# Altium PCB Terra.PcbDoc (part 7 of 7)
Units mm, origin at the board's own origin, x right, y up, seen from the top; angles counter-clockwise.
Board outline 126 x 65 mm, 6 copper layers (Top Layer, Int1 (Sign), Int2 (GND), Int3(PWR), Int4(Sign), Bottom Layer), stack 2.348 mm thick; 559 components, 490 nets, 2466 pads, 1027 vias.
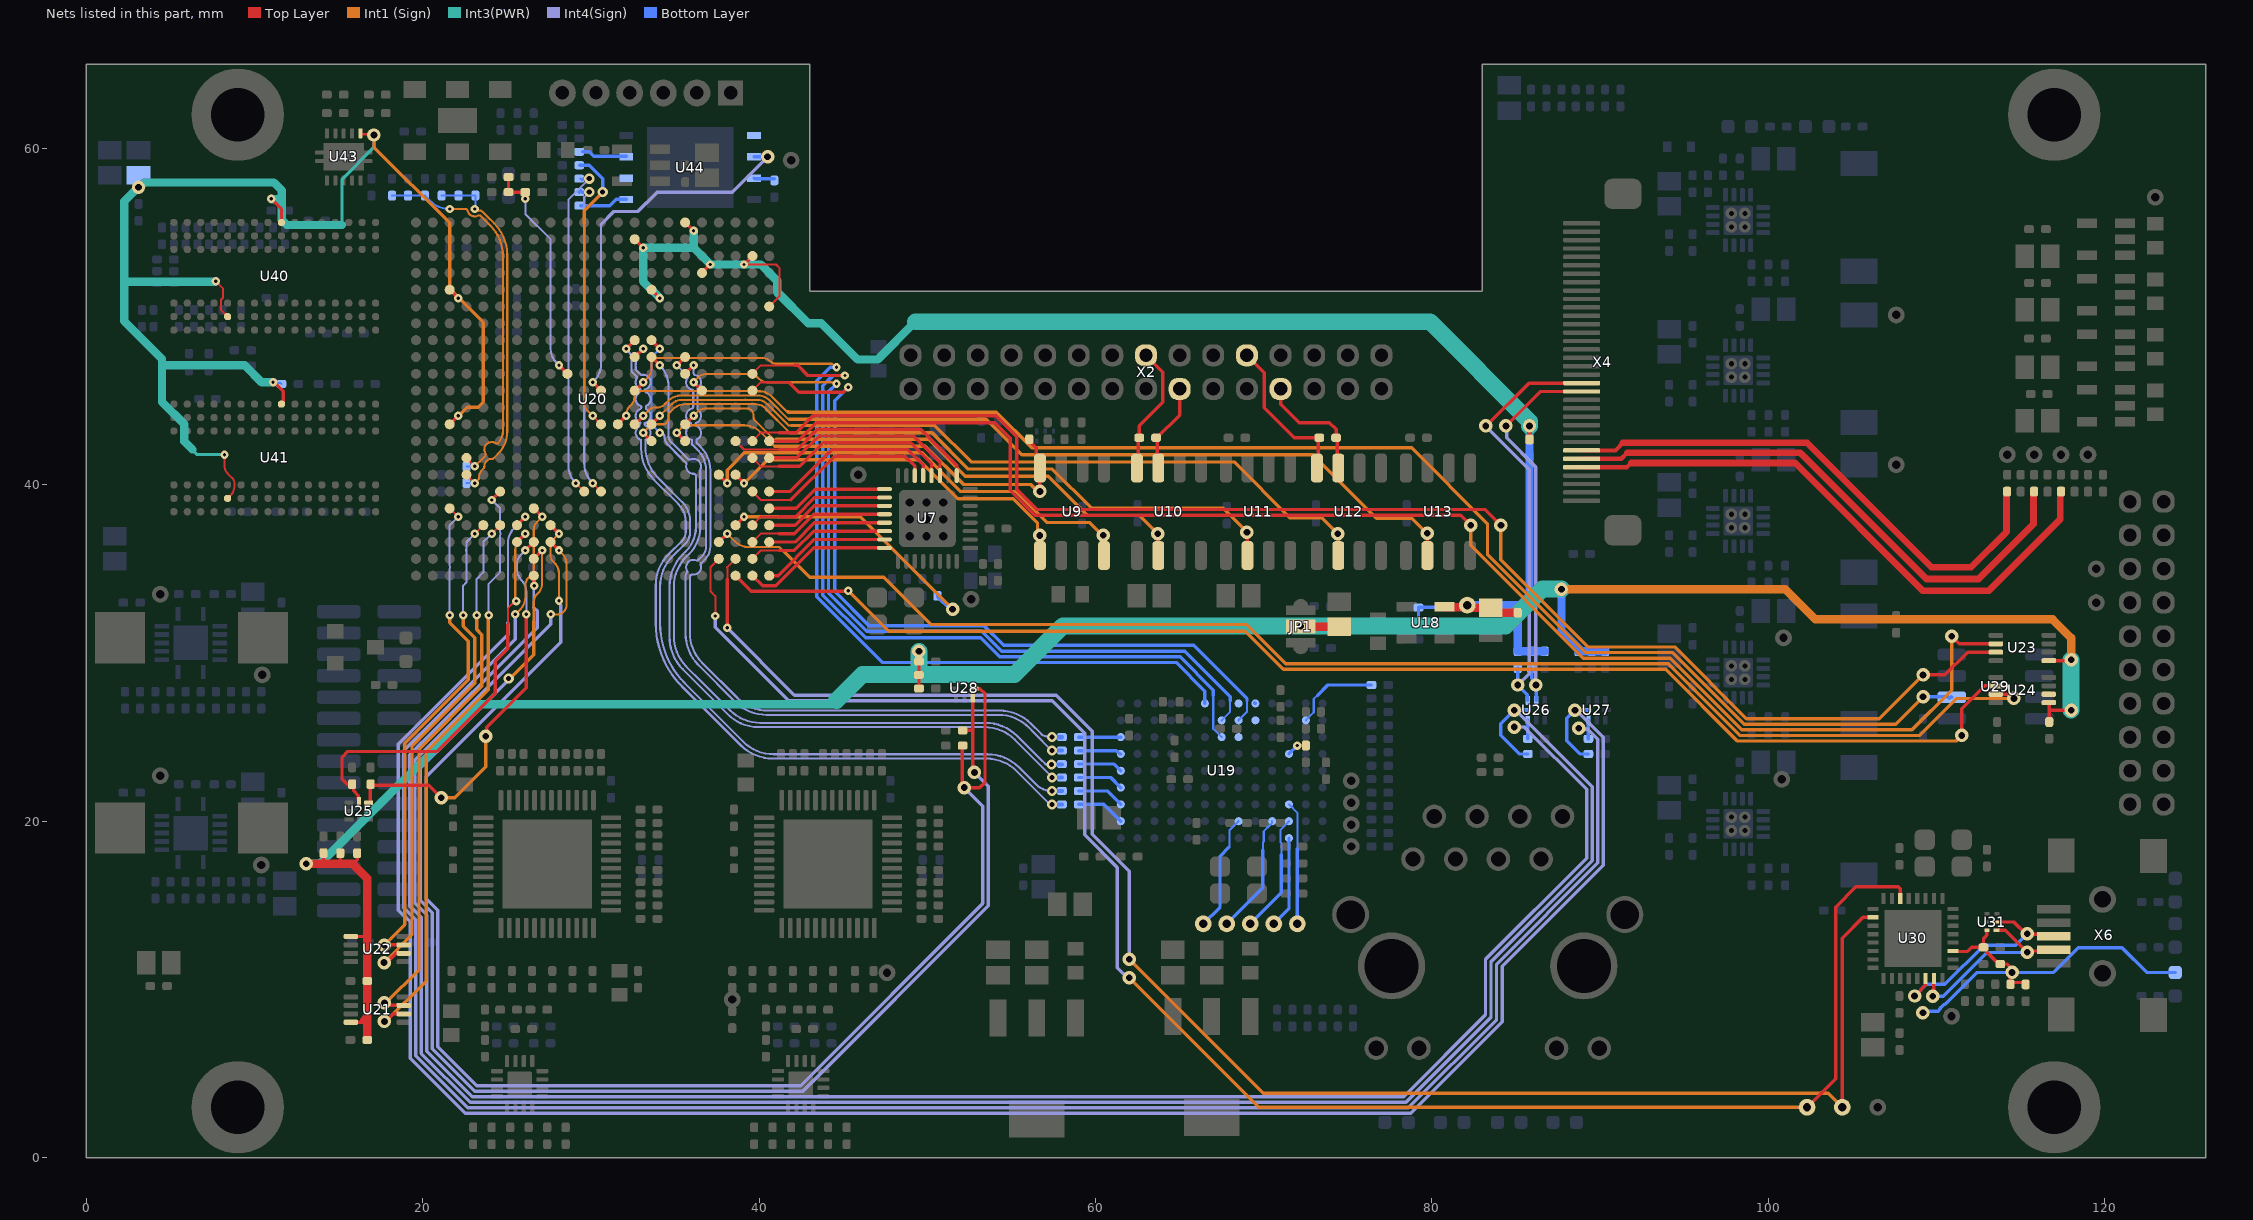
[diagram p11: the nets of this part, all layers, seen from the top]

## Via types
v1: diameter 0.5/0.5/0.5/0.5/0.5/0.5 (per signal layer), hole 0.2, Top Layer to Bottom Layer, tented both sides, 471 vias
v2: diameter 0.8, hole 0.4, Top Layer to Bottom Layer, tented both sides, 402 vias
v3: diameter 0.5/0.5/0.5/0.3/0.5/0.5 (per signal layer), hole 0.2, Top Layer to Bottom Layer, tented both sides, 87 vias
v4: diameter 0.9, hole 0.4, Top Layer to Bottom Layer, 32 vias
v5: diameter 0.6, hole 0.3, Top Layer to Bottom Layer, tented both sides, 26 vias
v6: diameter 0.6/0.6/0.6/0.6/0.6/0.6 (per signal layer), hole 0.3, Top Layer to Bottom Layer, tented both sides, 3 vias
v7: diameter 0.5/0.3/0.5/0.5/0.5/0.5 (per signal layer), hole 0.2, Top Layer to Bottom Layer, tented both sides, 3 vias
v8: diameter 0.8/0.8/0.8/0.5/0.8/0.8 (per signal layer), hole 0.4, Top Layer to Bottom Layer, tented both sides, 2 vias
v9: diameter 0.8/0.8/0.8/0.8/0.8/0.8 (per signal layer), hole 0.4, Top Layer to Bottom Layer, tented both sides, 1 vias

## Nets (pads, with @x,y where several pads share a name; then routed paths per layer and width w, separated by ;. In a path a pad name is that pad's centre, name@x,y a point inside that pad or via, vN(x,y) a via of type N, cw(c..) or ccw(c..) an arc to the next point about the centre after c; other vN are vias at no path point) (continued)
PHY_TXD0: U19.F1 U20.L14 | length 53.7
  Top Layer w0.2: U20.L14@32.633,45.6 v1@33.1,46.067
  Int1 (Sign) w0.125: v1(33.1,46.1) 33.375,46.375 ccw(c32.832,46.918) 33.6,46.918 33.6,47.244 cw(c33.856,47.244) 33.675,47.425 cw(c33.959,47.141) 33.914,47.54 cw(c33.959,47.141) 33.959,47.543 40.185,47.543 cw(c40.185,46.885) 40.65,47.35 ccw(c41.012,47.712) 41.012,47.2 44.339,47.2 v1@44.539,47
  Bottom Layer w0.2: v1(44.6,47) 44.23,47 43.43,46.2 43.43,33.333 47.323,29.44 64.793,29.44 66.5,27.733 U19.F1@66.5,27
PHY_TXD1: U19.G2 U20.L18 | length 50.1
  Top Layer w0.2: v1(36.1,46.1) U20.L18@36.6,45.6
  Int1 (Sign) w0.125: v1(36.1,46.1) 36.388,46.388 cw(c36.9,45.876) 36.389,46.389 cw(c36.9,45.876) 36.9,46.6 39.258,46.6 cw(c39.258,45.533) 40.013,46.287 ccw(c40.465,46.74) 40.465,46.1 44.339,46.1 44.368,46.072 v1@44.528,46.072
  Bottom Layer w0.125: U19.G2@67.5,26 68,26.5 68,27.169
  Bottom Layer w0.2: v1(44.6,46) 44.12,45.52 44.12,33.576 46.398,31.298 53.235,31.298 54.433,30.1 65.3,30.1 68,27.4 68,27.169
PHY_TXD2: U19.G3 U20.K21 | length 48.5
  Top Layer w0.125: U20.K21@39.6,46.6 40.1,47.1 42.1,47.1
  Top Layer w0.2: 42.1,47.1 42.3,47.1 42.9,46.5 v1(45.1,46.5)
  Bottom Layer w0.125: 67,27.5 67,25.5 U19.G3@67.5,25
  Bottom Layer w0.2: v1(45.1,46.5) 44.39,46.5 43.79,45.9 43.79,33.44 46.329,30.9 53.167,30.9 54.297,29.77 65.03,29.77 67,27.8 67,27.5
PHY_TXD3: U19.H2 U20.L21 | length 47.4
  Top Layer w0.125: U20.L21@39.6,45.6 40.1,46.1 41.8,46.1
  Top Layer w0.2: 41.8,46.068 42.368,45.5 45,45.5 v1(45.3,45.8)
  Bottom Layer w0.125: U19.H2@68.5,26 69,26.5 69,27.169
  Bottom Layer w0.2: v1(45.3,45.8) 44.5,45 44.5,33.663 46.531,31.631 53.369,31.631 54.53,30.47 65.83,30.47 69,27.3 69,27.169
PHY_TXD4: U19.H1
PHY_TXD5: U19.H3
PHY_TXD6: U19.J1 | length 0.1
  Bottom Layer w0.2: U19.J1@69.446,27.054 U19.J1@69.5,27
PHY_TXD7: U19.J2
QSPI_CLK: U20.L12 U44.6 | length 22.6
  Top Layer w0.2: v3(30.1,46.1) U20.L12@30.6,45.6
  Int4(Sign) w0.125: v3(30.1,46.1) 30.193,46.193 ccw(c29.212,47.175) 30.6,47.175 30.6,55.5
  Int4(Sign) w0.2: 30.6,55.5 31.35,56.25 32.783,56.25 33.933,57.4 38.4,57.4 v2(40.5,59.5)
  Bottom Layer w0.2: U44.6@39.695,59.5 v2(40.5,59.5)
QSPI_CS: R206.1 U44.1 | length 2.9
  Bottom Layer w0.2: R206.1@29.4,56.6 31.115,56.6 31.5,56.985 U44.1@32.1,56.985
QSPI_DQ0: U44.5
QSPI_DQ1: U44.2
QSPI_DQ2: R205.1 U44.3 | length 2.7
  Bottom Layer w0.2: R205.1@29.5,59.8 29.9,59.8 30.175,59.525 U44.3@32.1,59.525
QSPI_DQ3: R204.1 U44.7 | length 1.2
  Bottom Layer w0.2: U44.7@39.695,58.23 39.725,58.2 R204.1@40.9,58.2
S_CLK_N: C87.1 U20.H15 | length 46.9
  Top Layer w0.2: U20.H15@33.6,48.6 v1(34.1,48.1)
  Int4(Sign) w0.125: v1(34.1,43.1) ccw(c34.273,43.273) v1@34.273,43.028 ; v1@34.274,43.028 cw(c34.239,42.908) 34.358,42.948 ; 34.358,42.947 ccw(c35.208,42.947) 34.464,42.536 ccw(c35.208,42.947) 34.607,42.346 35.326,41.626 35.451,41.502 35.635,41.318 cw(c35.547,41.229) 35.669,41.201 ; 35.669,41.2 ccw(c36.1,41.1) 36.115,40.658 ; 36.116,40.658 cw(c36.119,40.533) 36.244,40.534 cw(c36.119,40.533) 36.244,40.532 36.244,37.484 cw(c34.243,37.484) 35.661,36.071 cw(c34.243,37.484) 35.658,36.069 35.456,35.866 ccw(c37.34,33.982) 35.454,35.864 ccw(c37.34,33.982) 34.675,33.982 34.675,30.927 ccw(c37.34,30.927) 34.742,30.332 ccw(c37.34,30.927) 35.456,29.043 38.159,26.339 ccw(c39.955,28.135) 38.903,25.823 ccw(c39.955,28.135) 39.955,25.595 53.403,25.595 cw(c53.403,23.055) 55.199,24.851 57.368,22.682 cw(c57.282,22.596) v5(57.403,22.596)
  Bottom Layer w0.125: v1(34.1,43.1) 33.6,43.6 33.6,47.6 v1(34.1,48.1)
  Bottom Layer w0.254: v5(57.403,22.596) 57.405,22.598 57.998,22.598 C87.1@58,22.6
S_CLK_P: C86.1 U20.J15 | length 45
  Top Layer w0.2: U20.J15@33.6,47.6 v1(34.1,47.1)
  Int4(Sign) w0.125: v1@34.101,47.099 cw(c32.862,45.862) 34.596,46.102 cw(c32.862,45.862) 34.613,45.862 34.613,42.948 ccw(c35.21,42.948) 34.788,42.526 35.507,41.807 35.631,41.682 35.663,41.651 35.783,41.531 ; 35.784,41.53 ccw(c35.871,41.619) 35.921,41.505 cw(c36.1,41.1) 36.464,40.849 cw(c36.38,40.764) 36.499,40.764 36.499,37.468 cw(c34.281,37.468) 35.852,35.902 cw(c34.281,37.468) 35.85,35.9 35.674,35.724 ccw(c37.47,33.928) 34.93,33.928 34.93,30.981 ccw(c37.47,30.981) 35.02,30.312 ccw(c37.47,30.981) 35.674,29.185 36.604,28.254 38.265,26.594 ccw(c40.061,28.39) 40.061,25.85 53.457,25.85 cw(c53.457,23.185) 55.341,25.069 56.73,23.681 57.002,23.409 ccw(c57.09,23.497) 57.059,23.376 ccw(c57.09,23.497) 57.067,23.374 v5(57.392,23.374)
  Bottom Layer w0.254: v5(57.392,23.374) 57.394,23.376 57.987,23.376 C86.1@57.989,23.378
S_IN_N: C83.1 U20.J17 | length 44.3
  Top Layer w0.2: v3(35.1,47.1) U20.J17@35.6,47.6
  Int4(Sign) w0.125: v3(35.1,47.1) 35.708,46.492 cw(c35.62,46.403) 35.726,46.336 ccw(c36.1,46.1) 35.658,46.111 ccw(c36.1,46.1) 35.989,45.672 cw(c35.957,45.551) 36.082,45.551 36.082,44.648 cw(c35.957,44.649) 35.989,44.528 ccw(c36.1,44.1) 35.889,43.711 cw(c35.829,43.601) 35.952,43.625 ccw(c36.19,43.533) 35.938,43.571 cw(c35.814,43.59) 35.877,43.482 ccw(c36.1,43.1) 36.015,42.666 36.017,42.656 cw(c35.892,42.644) 36.017,42.644 36.017,42.4 36.309,42.109 cw(c34.513,40.313) 36.504,41.889 36.505,41.888 cw(c35.143,40.867) 36.845,40.867 36.845,36.359 cw(c35.948,36.359) 36.591,35.733 ; 36.59,35.732 cw(c35.436,36.864) 36.582,35.724 36.581,35.722 cw(c35.436,36.864) 36.579,35.721 36.548,35.69 36.453,35.595 36.397,35.539 cw(c36.309,35.628) 36.269,35.509 cw(c36.309,35.628) 36.264,35.511 ccw(c36.1,35.1) 35.742,34.84 ccw(c36.023,34.559) 35.625,34.559 35.625,31.152 ccw(c38.29,31.152) 36.202,29.497 ccw(c38.29,31.152) 36.406,29.267 38.568,27.106 ccw(c40.452,28.99) 38.57,27.103 ccw(c40.452,28.99) 40.448,26.325 ccw(c40.452,28.99) 40.452,26.325 54.223,26.325 cw(c54.223,23.785) 56.019,25.581 56.325,25.275 v5(57.4,24.2)
  Bottom Layer w0.254: v5(57.4,24.2) C83.1@58,24.2
S_IN_P: C82.2 U20.K17 | length 43.1
  Top Layer w0.2: U20.K17@35.6,46.6 v3(36.1,47.1)
  Int4(Sign) w0.125: 36.039,34.662 ccw(c36.023,34.538) 35.943,34.634 ccw(c36.093,34.484) 35.88,34.484 35.88,31.206 ccw(c38.42,31.206) 36.425,29.634 ccw(c38.42,31.206) 36.624,29.41 38.71,27.324 ccw(c40.506,29.12) 40.506,26.58 41.975,26.58 52.425,26.58 54.277,26.58 cw(c54.277,23.915) 56.161,25.799 56.761,25.2 ccw(c57.136,25.575) 56.762,25.199 ccw(c57.136,25.575) 57.136,25.045 57.287,25.045 cw(c57.287,24.88) v5(57.403,24.996) ; 36.04,34.662 ccw(c36.1,35.1) 36.537,35.167 ; v3(36.1,47.1) 36.1,46.653 ccw(c36.225,46.654) 36.197,46.532 cw(c36.1,46.1) 36.382,45.759 ; 36.28,43.504 cw(c36.332,43.618) 36.207,43.62 ccw(c35.952,43.625) 36.207,43.625 cw(c36.323,43.578) 36.273,43.693 ccw(c36.1,44.1) 36.382,44.441 ; 36.281,43.504 cw(c36.1,43.1) 36.306,42.708 ; 36.305,42.708 cw(c36.1,43.1) 36.272,42.692 36.272,42.506 36.527,42.251 cw(c35.143,40.867) 37.1,40.867 37.1,36.359 cw(c35.948,36.359) 36.763,35.544 36.759,35.541 36.559,35.34 ccw(c36.647,35.251) 36.526,35.218 cw(c36.1,35.1) 36.537,35.168 ; 36.382,44.441 cw(c36.462,44.537) 36.337,44.539 ccw(c36.082,44.542) 36.337,44.543 36.337,44.794 36.337,45.551 36.337,45.663 cw(c36.462,45.663) 36.382,45.759
  Bottom Layer w0.254: v5(57.403,24.996) 57.405,24.998 57.998,24.998 C82.2@58,25
S_OUT_N: C85.1 U20.H14 | length 49.1
  Top Layer w0.2: v3(32.1,48.1) U20.H14@32.6,48.6
  Int4(Sign) w0.125: v3(32.1,48.1) cw(c31.044,47.044) 32.441,47.571 cw(c32.324,47.527) 32.446,47.499 ccw(c33.86,47.166) 32.408,47.19 cw(c32.283,47.193) 32.407,47.179 ccw(c33.1,47.1) 32.407,47.022 cw(c32.282,47.009) 32.407,47.009 32.407,46.85 ccw(c32.663,46.85) 32.483,46.668 32.69,46.462 cw(c32.602,46.373) 32.712,46.313 ccw(c33.1,46.1) 32.909,45.701 cw(c32.855,45.588) 32.945,45.675 ccw(c33.16,45.538) 32.906,45.559 cw(c32.782,45.57) 32.852,45.466 ccw(c33.1,45.1) 32.962,44.679 cw(c32.923,44.561) 33.011,44.65 ccw(c33.232,44.523) 32.984,44.585 cw(c32.863,44.616) 32.915,44.502 ccw(c33.1,44.1) 32.706,44.302 ccw(c33.1,44.1) 32.936,43.689 ccw(c33.143,43.54) 32.888,43.551 cw(c32.763,43.557) 32.837,43.456 ccw(c33.1,43.1) 32.975,42.675 32.977,42.672 cw(c32.862,42.624) 32.987,42.624 32.987,42.167 ccw(c35.652,42.167) 33.767,40.283 35.183,38.867 ; 33.85,31.778 ccw(c39.174,31.778) 35.409,28.014 35.41,28.013 38.918,24.506 ccw(c40.802,26.39) 38.92,24.503 ccw(c40.802,26.39) 40.798,23.725 ccw(c40.802,26.39) 40.802,23.725 53.514,23.725 cw(c53.514,21.185) 55.31,22.981 57.214,21.077 ccw(c57.4,21.263) v5(57.4,21) ; 33.85,31.779 33.85,34.006 cw(c36.513,34.006) 34.63,35.889 35.423,36.682 ccw(c34.905,37.2) 35.424,36.683 ccw(c34.905,37.2) 35.638,37.198 ccw(c34.905,37.2) 35.638,37.2 35.638,37.769 ccw(c34.086,37.769) 35.184,38.866
  Bottom Layer w0.254: v5(57.4,21) C85.1@58,21
S_OUT_P: C84.1 U20.J14 | length 48.9
  Top Layer w0.2: U20.J14@32.6,47.6 v1(33.1,48.1)
  Int4(Sign) w0.125: v1(33.1,48.1) 33.013,48.013 ccw(c33.86,47.166) 33.012,48.012 ccw(c33.86,47.166) 32.663,47.175 cw(c32.538,47.175) 32.661,47.159 ccw(c33.1,47.1) 32.661,47.041 cw(c32.537,47.025) 32.663,47.024 32.663,46.85 32.912,46.6 32.938,46.574 ccw(c33.027,46.663) 33.043,46.539 cw(c33.1,46.1) 33.412,46.413 cw(c33.1,46.1) 33.413,46.412 cw(c33.1,46.1) 33.201,45.669 33.2,45.662 ccw(c33.324,45.644) 33.199,45.654 cw(c32.945,45.675) 33.198,45.64 ccw(c33.321,45.623) 33.273,45.507 cw(c33.1,45.1) 33.321,44.717 ccw(c33.384,44.608) 33.266,44.65 cw(c33.011,44.65) 33.262,44.61 ; 33.198,43.668 33.196,43.662 ccw(c33.316,43.625) 33.268,43.509 cw(c33.1,43.1) 33.242,42.681 33.242,42.221 ccw(c35.782,42.221) 33.986,40.425 35.438,38.972 cw(c34.341,37.875) 35.893,37.875 35.893,37.197 cw(c34.914,37.197) 35.606,36.504 34.849,35.747 ccw(c36.645,33.951) 34.105,33.955 34.105,31.773 ccw(c39.174,31.778) 35.587,28.197 39.06,24.724 ccw(c40.856,26.52) 40.856,23.98 53.568,23.98 cw(c53.568,21.315) 55.452,23.199 56.464,22.188 ccw(c57.4,23.124) v5(57.4,21.8) ; 33.199,43.669 ccw(c33.1,44.1) 33.324,44.482 ; 33.262,44.609 33.262,44.589 ccw(c33.387,44.589) 33.323,44.482
  Bottom Layer w0.254: v5@57.405,21.798 57.998,21.798 C84.1@58,21.8
SCA: R108.1 U26.5 X4.20 | length 25.7
  Top Layer w0.2: v2(83.2,43.5) 83.22,43.5 85.77,46.05 X4.20@88.9,46.05
  Int4(Sign) w0.2: v2(83.2,43.5) 83.2,43.475 85.78,40.895 85.78,28.78 v2(85.1,28.1)
  Bottom Layer w0.2: R108.1@85.1,29.1 v2(85.1,28.1) 85.675,27.525 85.675,27.21 U26.5@85.7,27.185
SCL: R107.1 U26.6 X4.21 | length 23.1
  Top Layer w0.2: v2(84.4,43.5) 84.42,43.5 86.47,45.55 X4.21@88.43,45.55
  Int4(Sign) w0.2: v2(84.4,43.5) 84.441,43.459 84.441,42.8 86.18,41.061 v2(86.18,28.1)
  Bottom Layer w0.2: R107.1@85.9,29.1 85.932,29.068 85.932,28.51 86.18,28.262 v2(86.18,28.1) 86.19,28.09 U26.6@86.19,27.195 ; U26.6@86.19,27.195 U26.6@86.2,27.185 U26.6@86.19,27.195
SLO1+: R69.1 U10.8 X2.16 | length 7.8
  Top Layer w0.2: U10.8@62.46,41 62.53,41.07 62.53,42.73 R69.1@62.6,42.8 62.6,43.5 64,44.9 64,46.7 X2.16@63,47.7
SLO1-: R69.2 U10.7 X2.17 | length 5.4
  Top Layer w0.2: U10.7@63.73,41 63.665,41.065 63.665,42.735 R69.2@63.6,42.8 63.65,42.8 65,44.15 X2.17@65,45.7
SLO2+: R71.1 U12.8 X2.22 | length 9.2
  Top Layer w0.2: X2.22@69,47.7 70.03,46.67 70.03,44.57 71.8,42.8 R71.1@73.3,42.8 ; U12.8@73.23,40.97 R71.1@73.23,42.63
SLO2-: R71.2 U12.7 X2.23 | length 7
  Top Layer w0.2: X2.23@71,45.7 71,44.8 72.1,43.7 73.9,43.7 74.3,43.3 R71.2@74.3,42.8 ; U12.7@74.365,40.965 R71.2@74.365,42.635
SYS_CLK_N: C156.2 R187.2 R193.1 R199.1 U20.T4 | length 22.2
  Top Layer w0.125: U20.T4@22.6,40.6 v1(23.1,40.1)
  Int1 (Sign) w0.125: v1(23.1,40.1) 23.308,40.308 ccw(c23.22,40.397) 23.345,40.397 cw(c24.083,40.4) 23.561,40.922 23.621,40.982 ccw(c23.533,41.071) 23.658,41.077 cw(c24.1,41.1) 24.123,41.542 ccw(c24.1,41.1) 23.914,41.502 ; v1(23.1,56.4) 23.173,56.327 ccw(c23.262,56.415) 23.26,56.29 ccw(c23.262,56.415) 23.298,56.296 cw(c23.373,56.052) 23.554,56.232 23.729,56.056 23.83,55.955 24.244,55.541 cw(c22.36,53.657) 24.677,54.973 cw(c22.36,53.657) 25.025,53.657 25.025,43.2 cw(c23.059,43.2) 25.025,43.197 cw(c23.059,43.2) 24.449,41.81 24.218,41.579 cw(c24.129,41.667) 24.124,41.542
  Bottom Layer w0.125: R187.2@21.125,57.2 C156.2@22.125,57.2 R199.1@23.125,57.2 23.125,56.46 cw(c23.04,56.46) v1(23.1,56.4) ; R193.1@22.6,40.1 v1(23.1,40.1)
SYS_CLK_P: C157.2 R186.2 R193.2 R198.1 U20.R4 | length 23.4
  Top Layer w0.125: U20.R4@22.6,41.6 v1(23.1,41.1)
  Int1 (Sign) w0.125: v1(21.6,56.4) 22.546,56.4 cw(c22.546,56.275) 22.668,56.303 ccw(c23.1,56.4) 23.299,56.005 cw(c23.355,55.893) 23.444,55.981 23.55,55.875 23.65,55.775 24.026,55.399 cw(c22.23,53.603) 24.77,53.603 24.77,43.975 24.77,43.2 cw(c23.732,43.2) 24.466,42.466 ; v1(23.1,41.1) 23.625,41.625 23.708,41.708 ccw(c23.62,41.797) 23.726,41.863 cw(c24.1,42.1) 24.34,42.472 ; 24.341,42.471 ccw(c24.408,42.577) 24.461,42.463 24.466,42.466
  Bottom Layer w0.125: R198.1@18.175,57.2 R186.2@19.125,57.2 C157.2@20.125,57.2 20.447,56.878 20.448,56.877 ccw(c21.6,58.03) v1(21.6,56.4) ; R193.2@22.6,41.1 v1(23.1,41.1)
SYS_INIT: R207.2 U20.U12 | length 18.9
  Top Layer w0.125: v3(30.1,40.1) U20.U12@30.6,39.6
  Int4(Sign) w0.125: v5(29.9,57.4) 29.6,57.1 29.6,41.307 ccw(c31.307,41.307) v3@30.099,40.101
  Bottom Layer w0.2: R207.2@29.3,57.4 29.392,57.492 29.485,57.4 v5(29.9,57.4)
SYS_M0: R203.2 U20.U11 | length 20
  Top Layer w0.125: v3(29.1,40.1) U20.U11@29.6,39.6
  Int4(Sign) w0.125: v3@29.099,40.101 cw(c30.168,41.168) 28.665,41.015 ccw(c28.541,41.003) 28.664,41.024 cw(c29.1,41.1) 28.658,41.12 ccw(c28.533,41.125) 28.658,41.129 cw(c30.168,41.168) 28.657,41.168 28.657,56.957 v5(29.9,58.2)
  Bottom Layer w0.125: R203.2@29.375,58.2 29.475,58.1 R203.2@29.575,58.2
  Bottom Layer w0.2: R203.2@29.575,58.2 v5(29.9,58.2)
SYS_PGB: R208.2 U20.N12 | length 17.1
  Top Layer w0.125: v1(30.1,44.1) U20.N12@30.6,43.6
  Int1 (Sign) w0.125: 29.6,55.56 29.6,44.975 ccw(c30.505,44.975) 29.865,44.335 v1(30.1,44.1)
  Int1 (Sign) w0.2: 29.6,55.56 29.6,56.3 v5(30.7,57.4)
  Bottom Layer w0.2: R208.2@29.325,59 29.9,59 30.7,58.2 v5(30.7,57.4)
TST1: TP16.1 U19.H8 | length 7
  Bottom Layer w0.125: 67.932,18.457 67.965,18.49 67.965,19.465 U19.H8@68.5,20
  Bottom Layer w0.2: TP16.1@66.4,13.9 67.4,14.9 67.4,17.925 67.932,18.457
TST2: TP17.1 U19.L9 | length 5.5
  Bottom Layer w0.2: TP17.1@70.6,13.9 71.5,14.8 U19.L9@71.5,19
TST3: TP18.1 U19.L7 | length 7.3
  Bottom Layer w0.125: U19.L7@71.5,21 72,20.5 72,20.211 72,19.125 72.002,19.123 72.002,18.377 72,18.375
  Bottom Layer w0.2: TP18.1@72,13.9 72,18.375
TST4: TP19.1 U19.K8 | length 7.2
  Bottom Layer w0.125: 69.95,18.275 69.95,18.739 70,18.789 70,19.4 70.373,19.773 70.373,19.777 70.5,19.904 U19.K8@70.5,20
  Bottom Layer w0.2: TP19.1@67.8,13.9 69.95,16.05 69.95,18.275
TST5: TP20.1 U19.L8 | length 7.1
  Bottom Layer w0.125: 70.997,19.05 70.997,18.95 71,18.947 71,18.725 71.05,18.675 71.05,18 ; 71,19.05 71,19.5 U19.L8@71.5,20
  Bottom Layer w0.2: TP20.1@69.2,13.9 71.05,15.75 71.05,18
TST6: R97.1 U19.L4 | length 1.2
  Top Layer w0.2: v1(72,24.5) R97.1@72.5,24.5
  Bottom Layer w0.2: U19.L4@71.5,24 v1(72,24.5)
TST7: R98.2 U19.M2 | length 5.2
  Bottom Layer w0.125: U19.M2@72.5,26 72.975,26.475 72.975,27.275 73.2,27.5
  Bottom Layer w0.2: 73.2,27.5 73.8,28.1 R98.2@76.4,28.1
USB2_D+: U30.14 U31.2 X6.3 | length 13.3
  Top Layer w0.2: v2(108.691,9.609) 109.321,10.239 109.321,10.632 U30.14@109.348,10.659 ; U31.2@113.591,14.009 114.591,14.009 115.291,13.309 v2(115.391,13.309) ; v2@115.391,13.209 115.428,13.209 115.503,13.284 116.941,13.284 X6.3@116.966,13.259
  Bottom Layer w0.2: v2(108.691,9.609) 108.697,9.609 109.388,10.3 110.5,10.3 112.825,12.625 114.707,12.625 v2(115.391,13.309)
USB2_D-: U30.15 U31.1 X6.2 | length 11.8
  Top Layer w0.2: v2(109.771,9.594) 109.771,9.664 109.841,9.735 U30.15@109.841,10.634 ; U31.1@113.566,13.509 114.091,13.509 115.391,12.209 v2(115.4,12.218) 115.466,12.284 116.891,12.284 X6.2@116.966,12.359
  Bottom Layer w0.2: v2(109.771,9.594) 110.394,9.594 113,12.2 115.382,12.2 v2(115.4,12.218)
USB2_VBUS: C110.1 C111.1 HL7.1 L6.1 R122.1 U30.19 U31.6 | length 23.8
  Top Layer w0.2: U30.19@110.966,12.259 111.841,12.259 112.091,12.509 L6.1@112.691,12.509 ; U31.6@112.991,13.509 112.991,13.209 112.791,13.009 112.791,12.609 L6.1@112.691,12.509 ; R122.1@113.691,11.509 113.691,11.548 113.602,11.637 113.563,11.637 112.969,12.231 112.969,12.371 112.83,12.509 L6.1@112.691,12.509 ; R122.1@113.791,11.509 114.191,11.509 v2@114.391,11.309 ; C111.1@114.391,10.309 C111.1@114.391,10.409 ; v2@114.391,11.009 C111.1@114.391,10.409 ; C110.1@115.091,10.409 C111.1@114.391,10.409
  Bottom Layer w0.2: v2(109.191,8.609) 109.277,8.695 110.095,8.695 110.141,8.741 cw(c110.891,8.409) 110.559,9.159 112.409,11.009 v2(114.491,11.009) 116.956,11.009 118.422,12.475 121.025,12.475 122.491,11.009 HL7.1@124.191,11.009
USB_DATA0: U7.24 U20.AB21 | length 9
  Top Layer w0.2: U20.AB21@39.6,34.6 40.2,34 41,34 43.252,36.252 U7.24@47.452,36.252
USB_DATA1: U7.23 U20.AB22 | length 7.7
  Top Layer w0.2: U20.AB22@40.6,34.6 41.133,34.6 43.284,36.751 U7.23@47.452,36.751
USB_DATA2: U7.22 U20.AA21 | length 8.5
  Top Layer w0.125: U20.AA21@39.6,35.6 40.1,36.1 41.2,36.1
  Top Layer w0.2: 41.2,36.1 42.1,36.1 43.251,37.251 U7.22@47.452,37.251
USB_DATA3: U7.21 U20.Y22 | length 7.3
  Top Layer w0.2: U20.Y22@40.6,36.6 42.133,36.6 43.284,37.75 U7.21@47.452,37.75
USB_DATA4: U7.20 U20.Y21 | length 8.5
  Top Layer w0.125: U20.Y21@39.6,36.6 40.1,37.1 41.2,37.1
  Top Layer w0.2: 41.2,37.1 42.1,37.1 43.25,38.25 U7.20@47.452,38.25
USB_DATA5: U7.19 U20.W22 | length 7.3
  Top Layer w0.2: U20.W22@40.6,37.6 42.133,37.6 43.283,38.749 U7.19@47.452,38.749
USB_DATA6: U7.18 U20.W21 | length 8.5
  Top Layer w0.125: U20.W21@39.6,37.6 40.1,38.1 41.2,38.1
  Top Layer w0.2: 41.2,38.1 42.167,38.1 43.316,39.249 U7.18@47.452,39.249
USB_DATA7: U7.17 U20.V22 | length 7.3
  Top Layer w0.2: U20.V22@40.6,38.6 42.2,38.6 43.339,39.739 47.443,39.739 U7.17@47.452,39.748
USER_OUT: U24.2
VCC_ADC: C169.1 C170.1 L15.1 U20.K10 | length 13.8
  Top Layer w0.2: C169.1@25.1,57.4 L15.1@26.1,57.4 L15.1@26.1,57.3 ; C169.1@25.1,57.55 C170.1@25.1,58.45 ; v1(26.1,57) L15.1@26.1,57.3 ; L15.1@26.2,57.4 L15.1@26.1,57.3 ; v3(28.1,47.1) U20.K10@28.6,46.6
  Int4(Sign) w0.125: v1(26.1,57) 26.1,56.1 27.6,54.6 27.6,48.095 ccw(c28.795,48.095) 27.95,47.25 v3(28.1,47.1)
VDD_1.8: R75.1 X4.30 | length 35.1
  Top Layer w0.25: X4.30@88.9,41.05 91.601,41.05 91.851,41.3
  Top Layer w0.4: 91.851,41.3 101.6,41.3 109.2,33.7 113.1,33.7 117.36,37.96 117.36,39.56 R75.1@117.4,39.6
VDD_2.7: R74.1 X4.29 | length 33.4
  Top Layer w0.25: X4.29@88.9,41.55 91.253,41.55 91.603,41.9
  Top Layer w0.4: 91.603,41.9 101.9,41.9 109.4,34.4 112.5,34.4 115.76,37.66 115.76,39.231 115.76,39.56 R74.1@115.8,39.6
VDD_2.8: R73.1 X4.28 | length 31.8
  Top Layer w0.25: X4.28@88.9,42.05 90.904,42.05 91.354,42.5
  Top Layer w0.4: 91.354,42.5 102.3,42.5 109.7,35.1 112.054,35.1 114.16,37.206 114.16,39.231 114.16,39.56 R73.1@114.2,39.6